# Altium PCB motorBoardPCB.PcbDoc (part 1 of 2)
Units mil, origin at the board's own origin, x right, y up, seen from the top; angles counter-clockwise.
Board outline 3897.64 x 2830 mil, 2 copper layers (Top Layer, Bottom Layer); 142 components, 160 nets, 622 pads, 155 vias.
Unrouted connection lines stored in the file: 22.
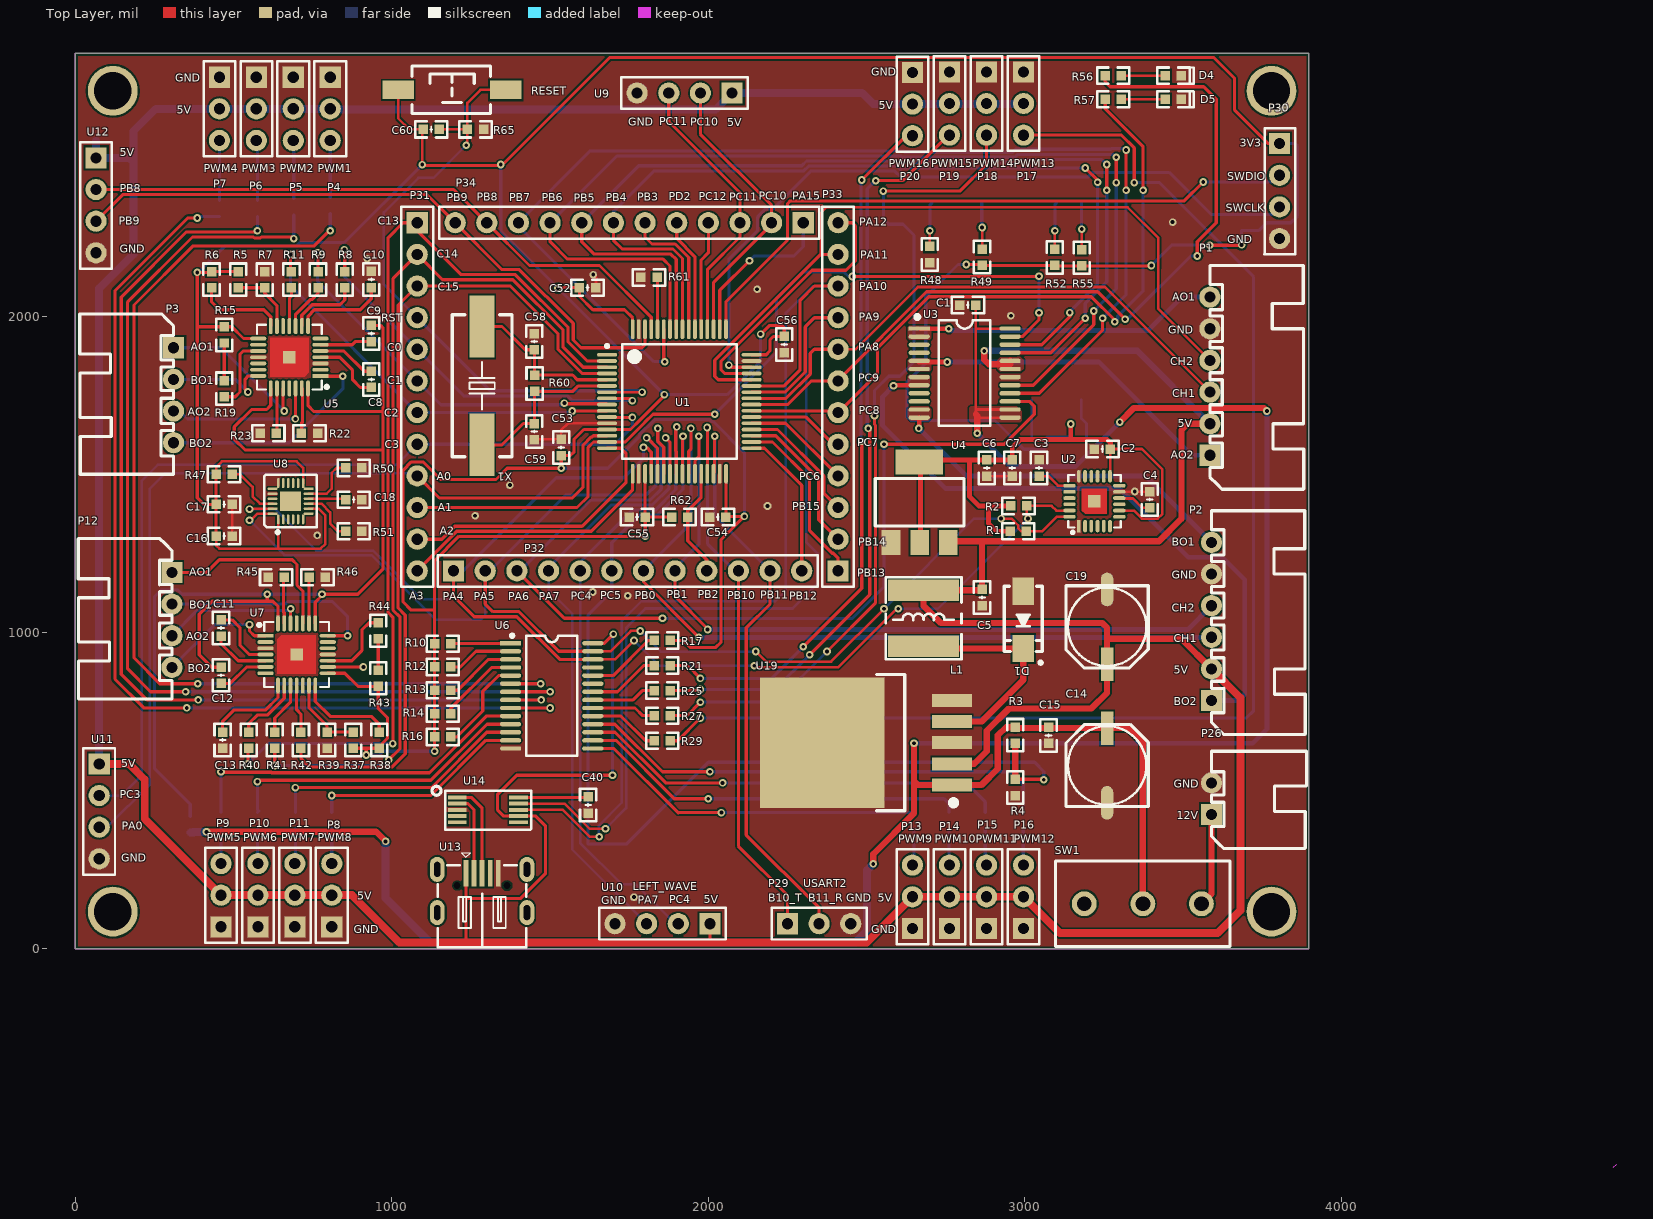
[diagram p0: Top Layer view]
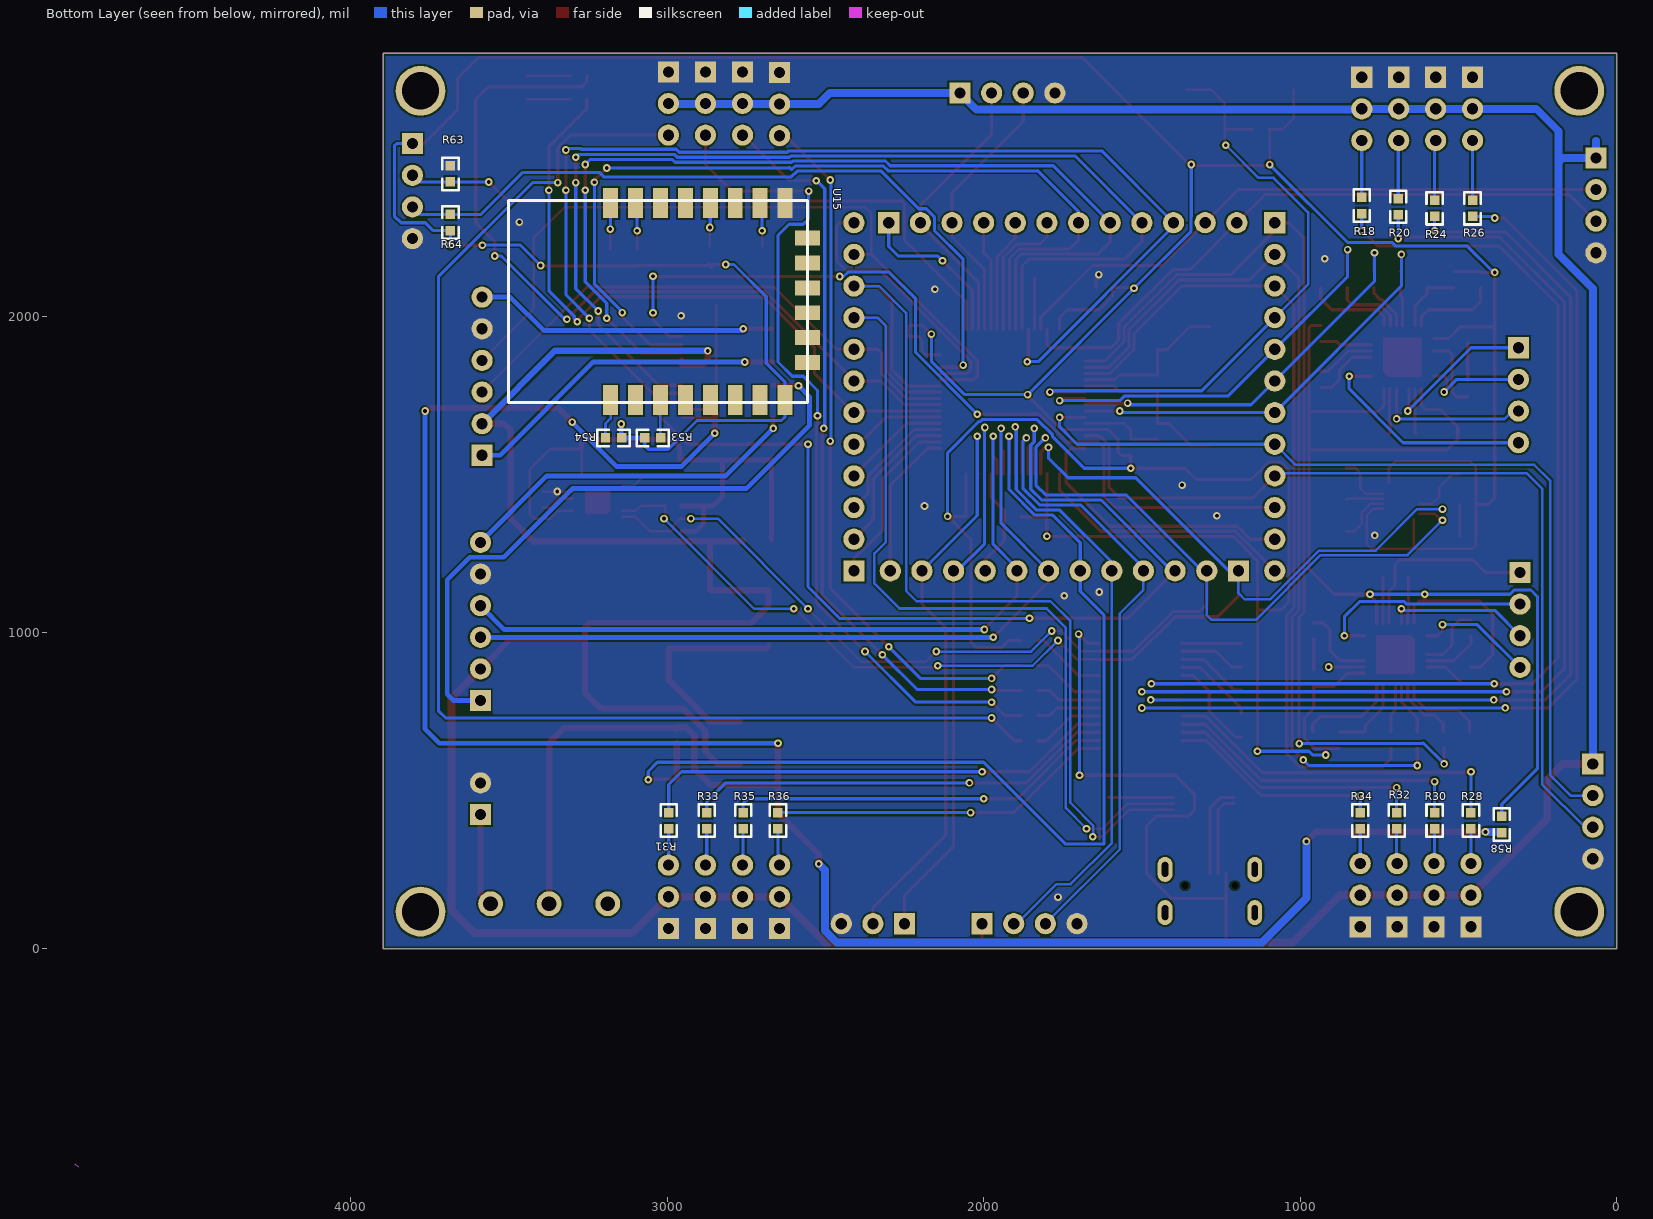
[diagram p1: Bottom Layer view, seen from below]

## Layer stack, top to bottom
Top Solder: solder mask 0.4, Solder Resist, Dk 3.5
Top Layer: signal copper 1.4
Dielectric 1: dielectric 12.6, FR-4, Dk 4.8
Bottom Layer: signal copper 1.4
Bottom Solder: solder mask 0.4, Solder Resist, Dk 3.5

## Board outline
0,0 0,2830 3897.64,2830 3897.64,0

## Design rules (kind name [scope] priority, off if disabled: settings)
Clearance [All] p1: gap=6 ignorepadtopadclearanceinfootprint=FALSE except(0: Arc-Hole Track-Hole SMDPad-Hole THPad-Hole Via-Hole Fill-Hole Poly-Hole Region-Hole Text-Hole)
PlaneConnect [All] p1: planeconnectstyle=Direct reliefexpansion=20 reliefentries=4 reliefconductorwidth=10 reliefairgap=10
PolygonConnect [All] p1: connectstyle=Direct reliefconductorwidth=10 reliefentries=4 polygonreliefangle="90 Angle" airgapwidth=10
RoutingVias [All] p1: holewidth=12 width=24 viastyle="Through Hole" minholewidth=12 minwidth=24 maxholewidth=12 maxwidth=24
SolderMaskExpansion [All] p1: expansion=4
Width power [InNetClass('PWR')] p1: maxlimit=50 minlimit=6 preferedwidth=25
Width [All] p2: maxlimit=20 minlimit=6 preferedwidth=10
29 further rules are at their usual default settings.

## Classes and differential pairs
net class PWR: 3V3 5V 12V A1 A2 AO1 AO2 B1 B2 BO1 BO2 PA1 PA6 PWM1 PWM2 PWM3 PWM4 PWM5 PWM6 PWM7 PWM8 PWM9 PWM10 PWM11 PWM12 PWM13 PWM14 PWM15 PWM16 VMM

## Components (designator, comment, footprint, x,y, rotation, side; value= is the part's Value field where it differs from the comment)
C1 "104" "C 0603" 2820,2035 r0 top
C2 "0.1uF" "C 0603" 3245,1580 r0 top
C3 "2200pF" "C 0603" 3045,1520 r90 top
C4 "0.1uF" "C 0603" 3395,1420 r90 top
C5 "4.7uF" "C 0603" 2865,1110.59 r270 top
C6 "104" "C 0603" 2880,1520 r270 top
C7 "104" "C 0603" 2960,1520 r270 top
C8 "0.1uF" "C 0603" 935,1800 r270 top
C9 "0.1uF" "C 0603" 935,1945 r270 top
C10 "0.22uF" "C 0603" 935,2115.59 r90 top
C11 "0.1uF" "C 0603" 460,1014.41 r90 top
C12 "0.1uF" "C 0603" 460,865 r270 top
C13 "0.22uF" "C 0603" 465,660 r270 top
C14 "220uF_16V" "CM D(6.3*7.7)" 3260,580 r90 top
C15 "104" "C 0603" 3075,675 r90 top
C16 "0.01uF" "C 0603" 470,1305 r0 top
C17 "0.1uF" "C 0603" 470,1405 r0 top
C18 "104" "C 0603" 879.41,1420 r0 top
C19 "220uF_16V" "CM D(6.3*7.7)" 3260,1018.11 r270 top
C40 "104" "C 0603" 1620,455 r270 top
C52 "10uF" "C 0603" 1618,2090 r0 top
C53 "100nF" "C 0603" 1535,1585 r90 top
C54 "100nF" "C 0603" 2030,1365 r180 top
C55 "100nF" "C 0603" 1775,1365 r180 top
C56 "100nF" "C 0603" 2240.01,1910 r270 top
C58 "22pF" "C 0603" 1450,1919.41 r270 top
C59 "22pF" "C 0603" 1450,1635 r90 top
C60 "100nF" "C 0603" 1124.41,2590 r0 top
D1 "SS34" SMA 2995,1040 r270 top
D4 "LED1" "LED 0603R" 3468.23,2759.41 r0 top
D5 "LED2" "LED 0603R" 3468.23,2684.41 r0 top
L1 "L_6045" NR6045 2680,1045 r90 top
P1 "DCmotor1" XH2.54-WI-6P 3585,1810 r90 top
P2 "DCmotor2" XH2.54-WI-6P 3590,1035 r90 top
P3 "步进电机接口" XH2.54-WI-4P 310,1750 r270 top
P4 "Head_1x3" HDR2.54-LI-3P 805,2655 r270 top
P5 "Head_1x3" HDR2.54-LI-3P 688.33,2655 r270 top
P6 "Head_1x3" HDR2.54-LI-3P 571.67,2655 r270 top
P7 "Head_1x3" HDR2.54-LI-3P 455,2655 r270 top
P8 "Head_1x3" HDR2.54-LI-3P 810,170 r90 top
P9 "Head_1x3" HDR2.54-LI-3P 460,170 r90 top
P10 "Head_1x3" HDR2.54-LI-3P 576.67,170 r90 top
P11 "Head_1x3" HDR2.54-LI-3P 693.33,170 r90 top
P12 "步进电机接口" XH2.54-WI-4P 305,1040 r270 top
P13 "Head_1x3" HDR2.54-LI-3P 2645,165 r90 top
P14 "Head_1x3" HDR2.54-LI-3P 2762.02,165 r90 top
P15 "Head_1x3" HDR2.54-LI-3P 2879.04,165 r90 top
P16 "Head_1x3" HDR2.54-LI-3P 2996.06,165 r90 top
P17 "Head_1x3" HDR2.54-LI-3P 2996.06,2671.81 r270 top
P18 "Head_1x3" HDR2.54-LI-3P 2879.04,2671.81 r270 top
P19 "Head_1x3" HDR2.54-LI-3P 2762.02,2671.81 r270 top
P20 "Head_1x3" HDR2.54-LI-3P 2645,2670 r270 top
P26 "Power_Input" XH2.54-WI-2P 3590,475 r90 top
P29 "Header" HDR2.54-LI-3P 2350,80 r0 top
P30 "SWD下载" HDR2.54-WI-4P 3805,2395 r270 top
P31 "header_1x12" HDR2.54-LI-12P 1080,1745 r270 top
P32 "header_1x12" HDR2.54-LI-12P 1745,1195 r0 top
P33 "header_1x12" HDR2.54-LI-12P 2410,1745 r90 top
P34 "header_1x12" HDR2.54-LI-12P 1750,2295 r180 top
R1 "4.7k" 0603R 2980.59,1385.59 r180 top
R2 "4.7k" 0603R 2981.77,1465.59 r180 top
R3 "10K" 0603R 3035.59,674.41 r90 top
R4 "3.3K" 0603R 3035.59,509.41 r90 top
R5 "0R" 0603R 579.75,2113.82 r90 top
R6 "100K" 0603R 495.58,2113.82 r90 top
R7 "10K" 0603R 663.92,2113.82 r90 top
R8 "10K" 0603R 916.42,2113.82 r90 top
R9 "10K" 0603R 832.26,2113.82 r90 top
R10 "0R" 0603R 1159.41,899.41 r0 top
R11 "10K" 0603R 748.09,2113.82 r90 top
R12 "0R" 0603R 1159.41,825.66 r0 top
R13 "0R" 0603R 1159.41,751.91 r0 top
R14 "0R" 0603R 1159.41,678.16 r0 top
R15 "20K" 0603R 404.41,1941.77 r270 top
R16 "0R" 0603R 1159.41,604.41 r0 top
R17 "0R" 0603R 1855.59,1040.59 r180 top
R18 "200R" 0603R 870.59,2350.59 r270 bottom
R19 "?K" 0603R 404.41,1771.77 r270 top
R20 "200R" 0603R 755.59,2346.77 r270 bottom
R21 "200R" 0603R 1855.59,961.41 r180 top
R22 "0.05" 0603R 738.23,1564.41 r0 top
R23 "0.05" 0603R 610.59,1695.59 r180 top
R24 "200R" 0603R 640.59,2341.77 r270 bottom
R25 "200R" 0603R 1855.59,882.23 r180 top
R26 "200R" 0603R 520.59,2341.77 r270 bottom
R27 "200R" 0603R 1855.59,803.05 r180 top
R28 "200R" 0603R 394.41,404.41 r90 bottom
R29 "200R" 0603R 1855.59,723.87 r180 top
R30 "200R" 0603R 509.41,404.41 r90 bottom
R31 "200R" 0603R 2929.41,404.41 r90 bottom
R32 "200R" 0603R 629.41,404.41 r90 bottom
R33 "200R" 0603R 2809.41,404.41 r90 bottom
R34 "200R" 0603R 744.41,404.41 r90 bottom
R35 "200R" 0603R 2694.41,404.41 r90 bottom
R36 "200R" 0603R 2584.41,404.41 r90 bottom
R37 "0R" 0603R 811.91,661.18 r270 top
R38 "100K" 0603R 894.41,661.18 r270 top
R39 "10K" 0603R 729.41,661.18 r270 top
R40 "10K" 0603R 481.91,661.18 r270 top
R41 "10K" 0603R 564.41,661.18 r270 top
R42 "10K" 0603R 646.91,661.18 r270 top
R43 "20K" 0603R 1022.59,854.41 r90 top
R44 "?K" 0603R 1022.59,1004.41 r90 top
R45 "0.05" 0603R 635.59,1240.59 r180 top
R46 "0.05" 0603R 763.23,1109.41 r0 top
R47 "10K" 0603R 471.18,1565.59 r180 top
R48 "1K" 0603R 2765.59,2193.23 r90 top
R49 "1K" 0603R 2930.59,2185.23 r90 top
R50 "10K" 0603R 880.59,1585.59 r180 top
R51 "10K" 0603R 880.59,1385.59 r180 top
R52 "10K" 0603R 3160.59,2184.41 r90 top
R53 "1K" 0603R 3044.41,1680.59 r0 bottom
R54 "1K" 0603R 3170.59,1549.41 r180 bottom
R55 "10K" 0603R 3245.59,2183.23 r90 top
R56 "1K" 0603R 3278.23,2694.41 r0 top
R57 "1K" 0603R 3278.23,2619.41 r0 top
R58 "0K" 0603R 428.59,394.77 r270 bottom
R60 "10K" 0603R 1516.59,1786.23 r90 top
R61 "10K" 0603R 1813.59,2187.59 r180 top
R62 "10K" 0603R 1908.23,1299.41 r0 top
R63 "10K" 0603R 3750.59,2450.59 r270 bottom
R64 "10K" 0603R 3619.41,2294.41 r90 bottom
R65 "10K" 0603R 1265.59,2655.59 r180 top
RESET "key" "TSW SMD-3*6*4.3" 1190,2715 r0 top (schematic designator K1)
SW1 "Switch" SS12D10 3370,140 r180 top
U1 "STM32f103RCT6" LQFP_64 1908.35,1730.16 r0 top
U2 "MPU6050" "QFN24 4x4" 3220,1415 r0 top
U3 "TB6612" SSOP24 2810,1820 r0 top
U4 "AMS1117-3.3" SOT-223 2665,1415 r0 top
U5 "A4988" "QFN28 5x5" 676.02,1870 r90 top
U6 "PCA9685PW" TSSOP28 1505,800 r0 top
U7 "A4988" "QFN28 5x5" 698.98,930.63 r270 top
U8 "MPU9250" QFN24_3X3 680,1415 r90 top
U9 "Ultrasound1" 超声波模块 1925,2705 r180 top
U10 "Ultrasound2" 超声波模块 1855,80 r180 top
U11 "Ultrasound3" 超声波模块 75,435 r270 top
U12 "Ultrasound4" 超声波模块 65,2350 r270 top
U13 "USB" USB-MICRO_D 1285,115 r0 top
U14 "CH340E" CH340E 1346.01,390.06 r0 top
U15 "ESP8266" ESP8266 2677.56,2109.92 r270 bottom
U19 "LM2596-5.0" TO263-5A 2770,651.93 r90 top
X1 "8MHz" "OSC HC-49SMD" 1285,1780 r90 top

## Footprints (in the part's own frame and the unit in brackets; to place one, negate y for a bottom-side part, rotate by r counter-clockwise, add the part's x,y. Pads: shape width x height; smd on the part's side, far side on the other; paste and mask are expansions set on the pad)
0603R [mil]
  rect 30x30 smd: 1(-24.41,65.59) 2(26.77,65.59)
  silkscreen extent -50,40 52,91, body extent -31,49 31,81, height 18
"C 0603" [mil] "无极性贴片电容"
  rect 30x30 smd: 1(-25.59,0) 2(25.59,0)
  silkscreen extent -51,-26 51,26, body extent -31,-16 31,16, height 32
CH340E [mm]
  rect 1.5x0.305 smd: 1(-3.531,2.261) 2(-3.531,1.761) 3(-3.531,1.261) 4(-3.531,0.761) 5(-3.531,0.261) 6(1.371,0.261) 7(1.371,0.761) 8(1.371,1.261) 9(1.371,1.761) 10(1.371,2.261) 10(1.371,2.261)
  silkscreen extent -5.56,-0.33 2.41,3.15, body extent -3.5,-0.27 1.4,2.73, height 1.25
"CM D(6.3*7.7)" [mm] "贴片电解电容，直径6.3mm，高7.7mm  黑色部分为负极(2号管脚)"
  rect 2.7x1 smd: 1(3,0)
  oval 2.7x1 smd: 2(-3,0)
  silkscreen extent -3.3,-3.3 3.3,3.3, body extent -3.5,-3.3 3.5,3.3, height 7.7
ESP8266 [mm]
  rect 2.4x1.2 smd: 1(-6.277,1.27) 2(-6.277,-0.73) 3(-6.277,-2.73) 4(-6.277,-4.73) 5(-6.277,-6.73) 6(-6.277,-8.73) 7(-6.277,-10.73) 8(-6.277,-12.73) 9(9.523,-12.73) 10(9.523,-10.73) 11(9.523,-8.73) 12(9.523,-6.73) 13(9.523,-4.73) 14(9.523,-2.73) 15(9.523,-0.73) 16(9.523,1.27)
  rect 1.2x2 smd: 17(6.523,3.07) 18(4.523,3.07) 19(2.523,3.07) 20(0.523,3.07) 21(-1.477,3.07) 22(-3.477,3.07)
  silkscreen extent -6.48,-20.93 9.72,3.07, body extent -6.46,-21.26 9.55,2.75, height 2.65
HDR2.54-LI-3P [mm] "排针，3脚"
  rect 1.7x1.7 hole 0.9: 1(-2.54,0)
  round 1.7 hole 0.9: 2(0,0) 3(2.54,0)
  silkscreen extent -3.81,-1.27 3.81,1.27, body extent -3.81,-1.27 3.81,1.27, height 8.5
HDR2.54-LI-12P [mm] "排针，13脚"
  rect 1.7x1.7 hole 0.9: 1(-13.97,0)
  round 1.7 hole 0.9: 2(-11.43,0) 3(-8.89,0) 4(-6.35,0) 5(-3.81,0) 6(-1.27,0) 7(1.27,0) 8(3.81,0) 9(6.35,0) 10(8.89,0) 11(11.43,0) 12(13.97,0)
  silkscreen extent -15.24,-1.27 15.24,1.27, body extent -15.24,-1.27 15.24,1.27, height 8.5
HDR2.54-WI-4P [mm] "弯脚排针，4脚"
  rect 1.7x1.7 hole 0.9: 1(-3.81,0)
  round 1.7 hole 0.9: 2(-1.27,0) 3(1.27,0) 4(3.81,0)
  silkscreen extent -5.05,-1.22 5.05,1.27, body extent -5,-1.09 5.16,7.95, height 4.85
"LED 0603R" [mil] "红色0603LED"
  rect 30x30 smd: 1(-24.41,0.59) 2(26.77,0.59)
  silkscreen extent -50,-25 65,26, body extent -31,-16 31,16, height 18
LQFP_64 [mm] "LQFP, 64-Leads, Body 10.00x10.00mm, Pitch 0.50mm"
  oval 1.6x0.3 smd: 1(-5.8,3.75) 2(-5.8,3.25) 3(-5.8,2.75) 4(-5.8,2.25) 5(-5.8,1.75) 6(-5.8,1.25) 7(-5.8,0.75) 8(-5.8,0.25) 9(-5.8,-0.25) 10(-5.8,-0.75) 11(-5.8,-1.25) 12(-5.8,-1.75) 13(-5.8,-2.25) 14(-5.8,-2.75) 15(-5.8,-3.25) 16(-5.8,-3.75) 33(5.8,-3.75) 34(5.8,-3.25) 35(5.8,-2.75) 36(5.8,-2.25) 37(5.8,-1.75) 38(5.8,-1.25) 39(5.8,-0.75) 40(5.8,-0.25) 41(5.8,0.25) 42(5.8,0.75) 43(5.8,1.25) 44(5.8,1.75) 45(5.8,2.25) 46(5.8,2.75) 47(5.8,3.25) 48(5.8,3.75)
  oval 0.3x1.6 smd: 17(-3.75,-5.8) 18(-3.25,-5.8) 19(-2.75,-5.8) 20(-2.25,-5.8) 21(-1.75,-5.8) 22(-1.25,-5.8) 23(-0.75,-5.8) 24(-0.25,-5.8) 25(0.25,-5.8) 26(0.75,-5.8) 27(1.25,-5.8) 28(1.75,-5.8) 29(2.25,-5.8) 30(2.75,-5.8) 31(3.25,-5.8) 32(3.75,-5.8) 49(3.75,5.8) 50(3.25,5.8) 51(2.75,5.8) 52(2.25,5.8) 53(1.75,5.8) 54(1.25,5.8) 55(0.75,5.8) 56(0.25,5.8) 57(-0.25,5.8) 58(-0.75,5.8) 59(-1.25,5.8) 60(-1.75,5.8) 61(-2.25,5.8) 62(-2.75,5.8) 63(-3.25,5.8) 64(-3.75,5.8)
  silkscreen extent -5.92,-4.6 4.6,4.6, body extent -6,-6 6,6, height 1.6
NR6045 [mm] "6.0mm*6.0mm*4.5mm(长*宽*高）"
  rect 1.7x5.7 smd: 1(-2.25,0) 2(2.25,0)
  silkscreen extent -3.3,-3.05 3.3,3.05, body extent -3,-3 3,3, height 4.6
"OSC HC-49SMD" [mm]
  rect 5x2 smd: 1(-4.75,0) 2(4.75,0)
  silkscreen extent -5.7,-2.4 5.7,2.4, body extent -6.5,-2.32 6.5,2.33, height 4.63
"QFN24 4x4" [mm] "24脚，长x宽x高：4x4x1mm，脚距：0.5mm"
  rect 0.3x1 smd: 1(-1.25,-2)
  oval 0.3x1 smd: 2(-0.75,-2) 3(-0.25,-2) 4(0.25,-2) 5(0.75,-2) 6(1.25,-2) 13(1.25,2) 14(0.75,2) 15(0.25,2) 16(-0.25,2) 17(-0.75,2) 18(-1.25,2)
  oval 1x0.3 smd: 7(2,-1.25) 8(2,-0.75) 9(2,-0.25) 10(2,0.25) 11(2,0.75) 12(2,1.25) 19(-2,1.25) 20(-2,0.75) 21(-2,0.25) 22(-2,-0.25) 23(-2,-0.75) 24(-2,-1.25)
  rect 1x1 smd: 25(0,0)
  Top Layer region: -1,1 1,1 1,-1 -0.75,-1 -1,-0.75
  silkscreen extent -2.11,-2.6 2.11,2.11, body extent -2.01,-2.01 2.01,2.01, height 0.95
QFN24_3X3 [mm] "QFN, 24-Leads, Body 3.00x3.00mm, Pitch 0.40mm/0.50mm, Thermal Pad 1.54x1.70mm, IPC Medium Density"
  oval 0.8x0.2 smd: 1(-1.45,1) 2(-1.45,0.6) 3(-1.45,0.2) 4(-1.45,-0.2) 5(-1.45,-0.6) 6(-1.45,-1) 13(1.45,-1) 14(1.45,-0.6) 15(1.45,-0.2) 16(1.45,0.2) 17(1.45,0.6) 18(1.45,1)
  oval 0.2x0.8 smd: 7(-1,-1.45) 8(-0.6,-1.45) 9(-0.2,-1.45) 10(0.2,-1.45) 11(0.6,-1.45) 12(1,-1.45) 19(1,1.45) 20(0.6,1.45) 21(0.2,1.45) 22(-0.2,1.45) 23(-0.6,1.45) 24(-1,1.45)
  rect 1.54x1.7 smd: 25(0,0)
  silkscreen extent -2.61,-2.11 2.11,2.13, body extent -1.55,-1.55 1.55,1.55, height 1.05
"QFN28 5x5" [mm] "28脚，长x宽x高：5x5x0.8mm，脚距：0.5mm"
  rect 0.3x1.3 smd: 1(-1.5,-2.5)
  oval 0.3x1.3 smd: 2(-1,-2.5) 3(-0.5,-2.5) 4(0,-2.5) 5(0.5,-2.5) 6(1,-2.5) 7(1.5,-2.5) 15(1.5,2.5) 16(1,2.5) 17(0.5,2.5) 18(0,2.5) 19(-0.5,2.5) 20(-1,2.5) 21(-1.5,2.5)
  oval 1.3x0.3 smd: 8(2.5,-1.5) 9(2.5,-1) 10(2.5,-0.5) 11(2.5,0) 12(2.5,0.5) 13(2.5,1) 14(2.5,1.5) 22(-2.5,1.5) 23(-2.5,1) 24(-2.5,0.5) 25(-2.5,0) 26(-2.5,-0.5) 27(-2.5,-1) 28(-2.5,-1.5)
  rect 1x1 smd: 29(0,0)
  Top Layer region: -1.55,1.55 1.55,1.55 1.55,-1.55 -1.225,-1.55 -1.55,-1.225
  silkscreen extent -2.6,-3.13 2.6,2.6, body extent -2.51,-2.51 2.51,2.51, height 0.75
SMA [mm] "4.5x2.6*2.2mm（长宽高，不包括引脚）"
  rect 2.2x1.75 smd: 1(-2.3,0) 2(2.3,0)
  silkscreen extent -2.7,-1.52 3.56,1.52, body extent -2.53,-1.3 2.58,1.3, height 2.15
SOT-223 [mil]
  rect 59x79 smd: 1(-88,-130) 2(2.55,-130) 3(93.1,-130)
  rect 150x79 smd: 2(1.88,123.54)
  silkscreen extent -137,-78 143,72, body extent -126,-139 129,135, height 67
SS12D10 [mm]
  round 2 hole 1.2: 1(-4.776,-0.076) 2(-0.076,-0.076) 3(4.624,-0.076)
  silkscreen extent -7.08,-3.51 6.92,3.35, body extent -6.58,-3.48 6.42,3.32, height 8.4
SSOP24 [mm] "8.3*7.8*1.6（蒜米工坊）"
  rect 1.7x0.35 smd: 1(-3.65,3.575)
  oval 1.7x0.35 smd: 2(-3.65,2.925) 3(-3.65,2.275) 4(-3.65,1.625) 5(-3.65,0.975) 6(-3.65,0.325) 7(-3.65,-0.325) 8(-3.65,-0.975) 9(-3.65,-1.625) 10(-3.65,-2.275) 11(-3.65,-2.925) 12(-3.65,-3.575) 13(3.65,-3.575) 14(3.65,-2.925) 15(3.65,-2.275) 16(3.65,-1.625) 17(3.65,-0.975) 18(3.65,-0.325) 19(3.65,0.325) 20(3.65,0.975) 21(3.65,1.625) 22(3.65,2.275) 23(3.65,2.925) 24(3.65,3.575)
  silkscreen extent -3.93,-4.23 2.06,4.63, body extent -3.85,-4.15 3.85,4.15, height 1.65
TO263-5A [mm] "263，5脚晶体管"
  rect 1.05x3.2 smd: 1(-3.4,0) 2(-1.7,0) 3(0,0) 4(1.7,0) 5(3.4,0)
  rect 10.45x10 smd: 3(0,10.414)
  silkscreen extent -5.46,-0.33 5.46,6.04, body extent -5,-0.01 5,13.32, height 4.5
TSSOP28 [mm] "9.8*6.4*1mm（长宽高）"
  rect 1.7x0.35 smd: 1(-3.3,4.225)
  oval 1.7x0.35 smd: 2(-3.3,3.575) 3(-3.3,2.925) 4(-3.3,2.275) 5(-3.3,1.625) 6(-3.3,0.975) 7(-3.3,0.325) 8(-3.3,-0.325) 9(-3.3,-0.975) 10(-3.3,-1.625) 11(-3.3,-2.275) 12(-3.3,-2.925) 13(-3.3,-3.575) 14(-3.3,-4.225) 15(3.3,-4.225) 16(3.3,-3.575) 17(3.3,-2.925) 18(3.3,-2.275) 19(3.3,-1.625) 20(3.3,-0.975) 21(3.3,-0.325) 22(3.3,0.325) 23(3.3,0.975) 24(3.3,1.625) 25(3.3,2.275) 26(3.3,2.925) 27(3.3,3.575) 28(3.3,4.225)
  silkscreen extent -3.3,-4.83 2.03,4.96, body extent -3.2,-4.9 3.2,4.9, height 1.03
"TSW SMD-3*6*4.3" [mm] "3*6*4.3mm"
  rect 2.5x1.5 smd: 1(-4.318,0) 2(4.318,0)
  silkscreen extent -3.21,-1.9 3.09,1.9, body extent -4.6,-1.75 4.6,1.75, height 4.4
USB-MICRO_D [mm] "micro型USB ，6.7*7.5*2.5mm"
  oval 1.2x2 hole 0.5 slot 1.2 at 90 deg: 0(-3.6,0) 0(-3.6,3.47) 0(3.6,0) 0(3.6,3.47)
  round 0 hole 0.55 unplated: 0(-2,2.17) 0(2,2.17)
  rect 0.381x2.15 smd: 1(-1.3,3.16) 2(-0.65,3.16) 3(0,3.16) 4(0.65,3.16) 5(1.3,3.16)
  silkscreen extent -3.56,-2.79 3.56,4.81, body extent -3.99,-2.75 3.99,3.95, height 2.79
XH2.54-WI-2P [mm] "接插件，2P"
  rect 1.7x1.7 hole 0.9: 1(-1.27,0)
  round 1.7 hole 0.9: 2(1.27,0)
  silkscreen extent -3.99,-7.62 3.81,0, body extent -3.77,-7.35 3.77,0.35, height 5.73
XH2.54-WI-4P [mm] "接插件，4P"
  rect 1.7x1.7 hole 0.9: 1(-3.81,0)
  round 1.7 hole 0.9: 2(-1.27,0) 3(1.27,0) 4(3.81,0)
  silkscreen extent -6.53,-7.53 6.35,0, body extent -6.31,-7.35 6.31,0.35, height 5.73
XH2.54-WI-6P [mm] "接插件，6P"
  rect 1.7x1.7 hole 0.9: 1(-6.35,0)
  round 1.7 hole 0.9: 2(-3.81,0) 3(-1.27,0) 4(1.27,0) 5(3.81,0) 6(6.35,0)
  silkscreen extent -9.07,-7.53 8.89,0, body extent -8.85,-7.35 8.85,0.35, height 5.75
超声波模块 [mm] "4脚"
  rect 1.7x1.7 hole 0.9: 1(-3.81,0)
  round 1.7 hole 0.9: 2(-1.27,0) 3(1.27,0) 4(3.81,0)
  silkscreen extent -5.08,-1.27 5.08,1.27, body extent -5.08,-1.27 5.08,1.27, height 8.5

## Part data
C1 C2 C3 C4 C5 C6 C7 C8 C9 C10 C11 C12 C13 C15 C16 C17 C18 C40 C52 C53 C54 C55 C56 C58 C59 C60: library part C_0603
C14 C19: library part CAP_220uF_16V
D4 D5: library part LED
P1 P2: library part DCMotor
P3 P12: library part header_1x4
P26: library part header_1x2
P29: library part header_1x3
P30: library part SWD
R1 R2 R3 R4 R5 R6 R7 R8 R9 R10 R11 R12 R13 R14 R15 R16 R17 R18 R19 R20 R21 R22 R23 R24 R25 R26 R27 R28 R29 R30 R31 R32 R33 R34 R35 R36 R37 R38 R39 R40 R41 R42 R43 R44 R45 R46 R47 R48 R49 R50 R51 R52 R53 R54 R55 R56 R57 R58 R60 R61 R62 R63 R64 R65: library part R_0603
SW1: library part SS12D10
U3: library part TB6612FNG
U9 U10 U11 U12: library part Ultrasound
U13: library part MicroUSB_D
X1: library part XTAL_8MHz

## Free pads (board coordinates)
  round 157.48 hole 118.11: 1(118.11,118.11) 2(3779.53,118.11) 3(3779.53,2711.89) 4(118.11,2711.89)

## Via types
v1: diameter 24, hole 12, Top Layer to Bottom Layer, tented both sides, 155 vias

## Nets (pads, with @x,y where several pads share a name; then routed paths per layer and width w, separated by ;. In a path a pad name is that pad's centre, name@x,y a point inside that pad or via, vN(x,y) a via of type N, cw(c..) or ccw(c..) an arc to the next point about the centre after c; other vN are vias at no path point)
3V3: C2.2 C6.1 C7.1 C16.1 C17.1 C52.1 C53.1 C54.1 C55.1 C56.1 C60.1 P30.1 R1.2 R2.2 R5.2 R6.2 R10.1 R12.1 R13.1 R14.1 R15.1 R16.1 R17.1 R37.2 R38.2 R43.1 R47.2 R49.1 R52.1 R53.2 R54.2 R55.1 R62.1 R64.1 RESET.1 U1.13 U1.19 U1.32 U1.48 U1.64 U2.8 U2.13 U4.2 U5.15 U7.15 U8.1 U8.8 U8.13 U15.16 | length 18548.9
  Top Layer w8: C16.1@444.41,1305 444.41,1275.59 455,1265 640.63,1265 ; R47.2@444.41,1500 444.41,1522.41 463,1541 699,1541 719.37,1520.63 U8.13@719.37,1472.09 ; U8.1@640.63,1357.91 640.63,1265 ; U8.8@737.09,1391.38 768.62,1391.38 790,1370 790,1280 775,1265 640.63,1265 ; RESET.1@1020,2715 1020,2625 1055,2590 C60.1@1098.82,2590 1096,2587.18 v1(1096,2478.82) ; U2.13@3269.21,1493.74 3270.59,1495.11 C2.2@3270.59,1580 3370,1580 3435,1515 3435,1375 3420,1360 3370,1360 3344.53,1385.47 U2.8@3298.74,1385.47
  Top Layer w10: C16.1@444.41,1305 C17.1@444.41,1405 ; R47.2@444.41,1500 C17.1@444.41,1405 ; R5.2@514.16,2140.59 R6.2@429.99,2140.59 427.4,2138 v1(385,2138) 385,1966.18 ; U5.15@577.6,1929.06 530.94,1929.06 493.82,1966.18 R15.1@470,1966.18 385,1966.18 ; U7.15@797.4,871.57 851.43,871.57 893,830 R43.1@957,830 957,760 986,731 986,666.04 960,640.04 R38.2@960,634.41 919,634.41 ; R37.2@877.5,634.41 919,634.41 ; v1(919,613) 920,614 919,615 919,634.41 ; v1(1096,2478.82) 1098.82,2476 v1@1344,2476 ; v1(1135,625) R16.1@1135,670 R14.1@1135,743.75 R13.1@1135,817.5 R12.1@1135,891.25 R10.1@1135,965 1135,1071 ; v1@1347,2476 1688.03,2817.03 3596.97,2817.03 3663,2751 3663,2651 3769,2545 P30.1@3805,2545 ; v1(1525,2088) 1527,2090 C52.1@1592.41,2090 ; C52.1@1593,2090 1593,2062 1635,2020 1735,2020 1760.71,1994.29 U1.64@1760.71,1958.5 ; C55.1@1795.59,1370 1800.08,1374.49 U1.19@1800.08,1501.81 ; v1(1861,1752) 1861,1748.63 1783,1670.63 1783,1670.47 1754.1,1641.57 U1.13@1680,1641.57 1606.57,1641.57 1575,1610 1575,1570 1564.41,1559.41 C53.1@1535,1559.41 v1(1535,1519) 1364.36,1519 1328.93,1483.57 1154.32,1483.57 1098.42,1539.46 1061.58,1539.46 1035.54,1513.42 1035.54,1096.46 1061,1071 1135,1071 ; R17.1@1880,975 1921,975 1943,953 2024,953 2039.46,968.46 2039.46,1292.46 v1(2114,1367) 2057.59,1367 C54.1@2055.59,1365 2055.59,1501.42 U1.32@2055.98,1501.81 ; R62.1@1883.82,1365 C55.1@1800.59,1365 1800.59,1304.59 v1(1800,1304) 1211.63,1304 1135,1227.37 1135,1071 ; U1.48@2136.69,1877.8 2182.8,1877.8 2195,1890 2195,1925 2205.59,1935.59 C56.1@2240,1935.59 2240,1964 2234,1970 2192,1970 v1(2165,1943) ; v1(2815,2163) 2855.18,2163 R49.1@2861.18,2157 ; R49.1@2869.59,2165.41 2875,2160 R52.1@3095,2160 3096.18,2158.82 R55.1@3180,2158.82 3398.82,2158.82 v1(3400,2160) ; v1(3584,2224) 3684,2224 v1(3685,2225) ; 385,1966.18 385,1426 406,1405 C17.1@444.41,1405
  Top Layer w15: U4.2@2670.67,1291.46 2670.67,1544.33 2670,1545 2825,1545 ; R49.1@2861.18,2157 R49.1@2865,2160.82 ; R1.2@2953.82,1320 2910,1320 2885,1345 2885,1400 ; R2.2@2955,1400 2885,1400 ; v1(3145,1659) 3145,1611 3144,1610 ; C2.2@3270.59,1580 3270.59,1599.41 3260,1610 3144,1610 ; 2825,1545 2825,1430 2855,1400 2885,1400 ; 2825,1545 2879.4,1545 C6.1@2880,1545.59 C7.1@2960,1545.59 2960,1585 2985,1610 3144,1610
  Bottom Layer w10: v1(385,2138) 389,2138 473,2222 699.53,2222 710.53,2233 850.18,2233 v1(1096,2478.82) ; v1(919,613) 960,613 972,625 v1(1135,625) ; v1(1344,2479) 1344,2314.35 1344.46,2313.88 1344.46,2268.54 v1(1525,2088) v1(1861,1752) 2059.37,1752 2165,1857.63 v1(2165,1943) ; v1(1535,1519) 1682,1519 1782,1619 1782,1624.53 1830.47,1673 2004.47,1673 2010.47,1667 2015,1667 2114,1568 v1(2114,1367) ; v1(2815,2163) 2789,2163 2687,2061 2687,1851 2627.56,1791.56 U15.16@2627.56,1735 2627.56,1681.44 2639,1670 2906,1670 2997,1579 3060,1579 3071.18,1590.18 R53.2@3071.18,1607.18 ; v1(3400,2160) 3465,2225 3585,2225 v1(3584,2224) ; v1(3685,2225) R64.1@3685,2270 3739,2270 3764,2295 3841,2295 3862,2316 3862,2538 3855,2545 P30.1@3805,2545
  Bottom Layer w15: R53.2@3071.18,1607.18 R53.2@3071.18,1615 R54.2@3143.82,1615 3145,1616.18 v1(3145,1659)
5V: C5.1 C19.1 L1.2 P1.2 P2.2 P4.2 P5.2 P6.2 P7.2 P8.2 P9.2 P10.2 P11.2 P13.2 P14.2 P15.2 P16.2 P17.2 P18.2 P19.2 P20.2 U3.19 U3.20 U4.3 U6.28 U9.1 U10.1 U11.1 U12.1 U13.1 U14.7 U19.2 | length 16069
  Top Layer w10: U13.1@1233.82,239.41 1233.82,160 ; 1234,20.47 1233.82,20.65 1233.82,160 ; U6.28@1634.92,966.34 1671.34,966.34 v1(1700,995) ; v1(1697,549) 1394,549 1334,489 1334,439 1353,420 U14.7@1400,420 1455,420 1485,390 1485,237.98 1407.02,160 1233.82,160 ; 2005,20.47 U10.1@2005,80
  Top Layer w20: U4.3@2761.22,1291.46 2763.68,1289 2865,1289 ; U19.2@2770,585 2840,585 2880,625 2880,690 2950,760 3210,760 3260,810 C19.1@3260,900 3260,980 ; v1(2872,1890) 2872,1862 2886,1848 2953.7,1848 U3.20@2953.7,1858.39 ; P1.2@3585,1660 3515,1660 3495,1640 3495,1360 3424,1289 2865,1289 ; P2.2@3590,885 3495,980 3260,980 ; 2865,1289 C5.1@2865,1136.18 2862.4,1133.58 L1.2@2680,1133.58 2680,1085 2735,1030 3245,1030 3260,1015 3260,980
  Top Layer w25: U11.1@75,585 169,585 219,535 219,411 P9.2@460,170 P10.2@576.67,170 P11.2@693.33,170 P8.2@810,170 874,170 1023.53,20.47 1234,20.47 2005,20.47 2500.47,20.47 P13.2@2645,165 P14.2@2762.02,165 P15.2@2879.04,165 P16.2@2996.06,165 3111.06,50 3609,50 3681,122 3681,794 P2.2@3590,885
  Bottom Layer w10: v1(1697,549) 1697,992 v1(1700,995)
  Bottom Layer w20: v1(2872,1890) 3355,1890 P1.2@3585,1660
  Bottom Layer w25: 65,2554 U12.1@65,2500 170,2500 183,2487 ; U11.1@75,585 75,2087 183,2195 183,2487 ; P17.2@2996.06,2671.81 2994.25,2670 P20.2@2645,2670 2521,2670 2486,2705 U9.1@2075,2705 2023.04,2653.04 805,2653.04 P4.2@805,2655 P5.2@688.33,2655 P6.2@571.67,2655 P7.2@455,2655 254,2655 183,2584 183,2487
12V: C1.2 C14.1 C15.2 R3.2 R58.2 SW1.2 U3.13 U3.14 U3.24 U19.1 | length 8363.8
  Top Layer w8: 2845.59,1689.41 2845.59,1705 ; C1.2@2845.59,2035 2845.59,1960.75 ; 2850,1685 2855.75,1679.25 U3.13@2953.7,1679.25 ; U3.14@2953.7,1704.84 2845.75,1704.84 2845.59,1705 ; U3.24@2953.7,1960.75 2845.59,1960.75 ; 2845.59,1705 2845.59,1960.75
  Top Layer w20: v1(414,370) 950,370 v1(980,340) ; v1(2521,269) 2521,300 2650,429 2650,530 ; v1(2650,650) 2650,530 ; 2845.59,1689.41 2850,1685 v1(2850,1630) ; R3.2@2970,695 2973.11,698.11 C14.1@3260,698.11 3326.89,698.11 3373,652 SW1.2@3373,143 ; R3.2@2970,701.18 2941.18,701.18 2915,675 2915,570 2863.07,518.07 U19.1@2770,518.07 2661.93,518.07 2650,530 ; v1(3300,1665) 3344.46,1709.46 3755.54,1709.46 v1(3765,1700)
  Bottom Layer w15: v1(2650,650) 3720,650 3765,695 v1(3765,1700) ; v1(2850,1630) 2955.5,1524.5 3159.5,1524.5 v1(3300,1665)
  Bottom Layer w25: R58.2@363,368 372.82,368 370.82,370 v1(414,370) ; v1(980,340) 980,161 1120.53,20.47 2463.96,20.47 2501.96,58.48 2501.96,249.96 v1(2521,269)
A1: P3.1 P12.1 U5.24 U7.24 | length 1117.4
  Top Layer w10: P12.1@305,1190 415,1190 455,1230 685,1230 700,1215 700,1150 718.66,1131.34 U7.24@718.66,1029.06 ; U5.24@656.34,1771.57 656.34,1703.66 v1(660,1700)
  Bottom Layer w10: P3.1@310,1900 460,1900 v1(660,1700)
A2: P3.3 P12.3 U5.26 U7.26 | length 958.7
  Top Layer w10: U7.26@679.29,1029.06 680,1029.76 v1(680,1075) ; v1(695,1675) 695,1770.87 U5.26@695.71,1771.57
  Bottom Layer w10: P12.3@305,990 385,1070 685,1070 v1(680,1075) ; P3.3@310,1700 329,1700 354,1675 v1(695,1675)
AD0: U2.9
AD0/SDO: R51.2 U8.9 | length 173.3
  Top Layer w8: U8.9@737.09,1407.13 777.87,1407.13 805,1380 805,1345 830,1320 R51.2@853.82,1320
ADC: P32.6 R3.1 R4.2 U1.25 | length 3354.7
  Top Layer w10: U1.25@1918.19,1501.81 1918.19,1618.19 v1(1920,1620) ; R4.2@2970,536.18 3058.82,536.18 v1(3060,535)
  Top Layer w20: R4.2@2970,536.18 R3.1@2970,650
  Bottom Layer w10: v1(1920,1620) 1920,1452.37 1838.63,1371 1782,1371 1695,1284 P32.6@1695,1195 1695,1130 1619.21,1054.21 1619.21,332 1742,332 2000,590 3031,590 3060,561 v1(3060,535)
AO1: P1.6 U3.1 U3.2 | length 961
  Top Layer w15: U3.1@2670,1960 v1(2760,1960)
  Bottom Layer w15: v1(2760,1960) 2765.5,1954.5 3390.5,1954.5 3496,2060 P1.6@3585,2060
AO2: P1.1 U3.5 U3.6 | length 1042.2
  Top Layer w15: U3.5@2665,1855 v1(2755,1855)
  Bottom Layer w15: v1(2755,1855) 3233,1855 3528,1560 P1.1@3585,1560
B1: P3.2 P12.2 U5.21 U7.21 | length 1042.9
  Top Layer w10: v1(545,1760) 536,1769 536,1801 545.94,1810.94 U5.21@577.6,1810.94 ; U7.21@797.4,989.69 797.72,990 v1(860,990)
  Bottom Layer w10: P12.2@305,1090 662.47,1090 670.47,1098 812,1098 860,1050 v1(860,990) ; P3.2@310,1800 505,1800 v1(545,1760)
B2: P3.4 P12.4 U5.1 U7.1 | length 1094.2
  Top Layer w10: v1(550,1025) 550,1005 565.31,989.69 U7.1@600.55,989.69 ; U5.1@774.45,1810.94 775.39,1810 v1(845,1810)
  Bottom Layer w10: P12.4@305,890 440,1025 v1(550,1025) ; P3.4@310,1600 675,1600 845,1770 v1(845,1810)
BO1: P2.6 U3.11 U3.12 | length 1108.9
  Top Layer w15: v1(2665,1645) 2666.3,1646.3 U3.12@2666.3,1679.25
  Bottom Layer w15: v1(2665,1645) 2815,1495 3380,1495 P2.6@3590,1285
BO2: P2.1 U3.7 U3.8 | length 2043.5
  Top Layer w15: v1(2585,1780) 2586.61,1781.61 U3.8@2666.3,1781.61
  Bottom Layer w15: v1(2585,1780) 2550.5,1745.5 2550.5,1674.44 2550,1673.94 2550,1655 2750,1455 3300,1455 3516.96,1238.04 3623.38,1238.04 3695,1166.42 3695,805 3675,785 P2.1@3590,785
BOOT1: P32.9 R62.2 U1.28 | length 349.2
  Top Layer w10: U1.28@1977.24,1501.81 1977.24,1427.24 1935,1385 R62.2@1935,1365 1935,1290 1995,1230 P32.9@1995,1195
DIR: U5.19
DIR2: U7.19
EN1: U5.2
EN2: U7.2
ESC: U8.7
ESD: U8.21
FSYNC: R50.2 U8.11 | length 179.7
  Top Layer w8: U8.11@737.09,1438.62 793.62,1438.62 810,1455 810,1505 825,1520 R50.2@853.82,1520
GND: C1.1 C2.1 C3.2 C4.2 C5.2 C6.2 C7.2 C10.2 C13.2 C14.2 C15.1 C16.2 C17.2 C18.2 C19.2 C40.2 C52.2 C53.2 C54.2 C55.2 C56.2 C58.1 C59.1 D1.1 D4.2 D5.2 P1.5 P2.5 P4.1 P5.1 P6.1 P7.1 P8.1 P9.1 P10.1 P11.1 P13.1 P14.1 P15.1 P16.1 P17.1 P18.1 P19.1 P20.1 P26.2 P29.3 P30.4 R4.1 R7.2 R22.2 R23.2 R39.2 R45.2 R46.2 R48.1 R50.1 R51.1 R61.2 R63.1 R65.1 U1.12 U1.18 U1.31 U1.47 U1.63 U2.1 U2.11 U2.18 U3.18 U4.1 U5.3 U5.18 U5.29 U6.14 U7.3 U7.18 U7.29 U8.18 U8.20 U9.4 U10.4 U11.4 U12.4 U13.5 U14.3 U15.1 U19.3 U19.5 | length 590.7
  Top Layer w8: C16.2@495.59,1305 C17.2@495.59,1405 ; C59.1@1450,1609.41 1451.18,1610.59 C53.2@1535,1610.59 1535,1640 1556.26,1661.26 U1.12@1680,1661.26 ; v1(1636,2131) 1645,2122 1645,2091.41 C52.2@1643.59,2090 ; C6.2@2880,1494.41 C7.2@2960,1494.41 ; U2.11@3298.74,1444.53 3299.8,1445.59 v1(3347.4,1445.59) C4.2@3395,1445.59
  other v1: 1765,164 1745,1116 1635,1128 764,1307 1263,1369 2187,1400 1373,1466 2956,2001 2154,2085 922,2181 3467,2297
INT: U2.12 U8.12
LED1: P33.7 R56.1 U1.40 | length 2589.6
  Top Layer w10: U1.40@2136.69,1720.31 2250.31,1720.31 2325,1795 P33.7@2410,1795 2410,1797.63 2689.37,2077 3230,2077 v1(3317,1990) ; R56.1@3253.82,2760 3253.82,2741.18 3270,2725 3565,2725 3605,2685 3605,2295 3545,2235 v1(3545,2190)
  Bottom Layer w10: v1(3317,1990) 3323.84,1990 3523.84,2190 v1(3545,2190)
LED2: P33.6 R57.1 U1.39 | length 2174.1
  Top Layer w10: U1.39@2136.69,1700.63 2404.37,1700.63 P33.6@2410,1695 2535,1820 2535,1900 2696,2061 3210.53,2061 3284,1987.53 v1(3284,1982) ; R57.1@3253.82,2685 3254,2684.82 3254,2655 3374,2535 v1(3374,2398)
  Bottom Layer w10: v1(3284,1982) 3294,1992 3294,1999.53 3374,2079.53 v1(3374,2398)
M1_CH1: P1.4 P33.11 U1.44 | length 2400.4
  Top Layer w8: 2355,2195 2355,2325 2374,2344 3325,2344 3422,2247 3422,2150.89 3421,2149.89 3421,2024 P1.4@3585,1860
  Top Layer w10: U1.44@2136.69,1799.06 2030.94,1799.06 2020,1810 2020,1860 2355,2195 P33.11@2410,2195
M1_CH2: P1.3 P33.8 U1.41 | length 1769.9
  Top Layer w8: P33.8@2400,1895 P33.8@2410,1895 2465,1895 2662,2092 3253,2092 P1.3@3585,1760
  Top Layer w10: U1.41@2136.69,1740 2245.25,1740 2322,1816.75 2322,1882 2335,1895 P33.8@2400,1895
M2_CH1: P2.3 P32.7 U1.26 | length 2561.6
  Top Layer w10: P32.7@1795,1195 1795,1160 v1(1970,985) ; U1.26@1937.87,1501.81 1937.87,1572.44 1945,1579.57 v1(1945,1645)
  Bottom Layer w10: P32.7@1795,1195 1945,1345 v1(1945,1645)
  Bottom Layer w15: v1(1970,985) 1971,984 3589,984 P2.3@3590,985
M2_CH2: P2.4 P32.8 U1.27 | length 2431.1
  Top Layer w10: P32.8@1895,1195 1895,1115 1997.5,1012.5 v1(1997.5,1009.5) ; U1.27@1957.56,1501.81 1957.56,1542.56 1970,1555 v1(1970,1620)
  Bottom Layer w10: P32.8@1895,1195 1895,1204 1970,1279 v1(1970,1620)
  Bottom Layer w15: v1(1997.5,1009.5) 3514.5,1009.5 P2.4@3590,1085
MS11: P31.5 R8.2 U1.8 | length 1310
  Top Layer w10: v1(850,2210) 850.83,2209.17 R8.2@850.83,2140.59 ; U1.8@1680,1740 1753,1740 v1(1760,1733)
  Bottom Layer w10: v1(850,2210) 850,2125 P31.5@1080,1895 1227,1748 1554.53,1748 1569.53,1733 v1(1760,1733)
MS12: P31.6 R9.2 U1.9 | length 1230.7
  Top Layer w10: v1(765,2200) 766.66,2198.34 R9.2@766.66,2140.59 ; v1(1545,1725) 1546.91,1723.09 1677.22,1723.09 U1.9@1680,1720.31
  Bottom Layer w10: v1(765,2200) 765,2110 P31.6@1080,1795 1155,1720 1540,1720 v1(1545,1725)
MS13: P31.7 R11.2 U1.10 | length 1323.5
  Top Layer w10: v1(680,2195) 680,2143.09 R11.2@682.5,2140.59 ; v1(1570,1700) 1570.63,1700.63 U1.10@1680,1700.63
  Bottom Layer w10: v1(680,2195) 680,2095 P31.7@1080,1695 1565,1695 v1(1570,1700)
MS21: P31.1 R40.2 U1.2 | length 3076.2
  Top Layer w10: v1(545,585) 545,631.92 R40.2@547.5,634.41 ; v1(1003,649) 1003,1048.74 987.54,1064.2 987.54,1533.3 988,1533.76 988,2248 1035,2295 P31.1@1080,2295 1080,2270 1219,2131 1390,2131 1557,1964 1557,1918 1616.89,1858.11 U1.2@1680,1858.11
  Bottom Layer w10: v1(545,585) 611,651 613,649 v1(1003,649)
MS22: P31.2 R41.2 U1.3 | length 2854.5
  Top Layer w10: v1(630,580) R41.2@630,634.41 ; v1(990,597.63) 1026,633.63 1026,1048.36 1003.54,1070.83 1003.54,1526.67 1004,1527.14 1004,2119 P31.2@1080,2195 1160,2115 1382,2115 1541,1956 1541,1901.63 1604.2,1838.43 U1.3@1680,1838.43
  Bottom Layer w10: v1(630,580) 972.37,580 v1(990,597.63)
MS23: P31.3 R42.2 U1.4 | length 2645.9
  Top Layer w10: R42.2@712.5,634.41 712.5,602.5 740.37,574.63 999.53,574.63 1042,617.1 1042,1054.99 1019.54,1077.46 1019.54,1520.05 1020,1520.51 1020,2035 P31.3@1080,2095 1374,2095 1525,1944 1525,1895 1601.26,1818.74 U1.4@1680,1818.74
nCS: R47.1 U8.22 | length 183.4
  Top Layer w8: R47.1@495.59,1500 520,1500 560,1460 560,1430 582.87,1407.13 U8.22@622.91,1407.13